# Altium PCB dv_cm.PcbDoc (part 1 of 2) (continued)
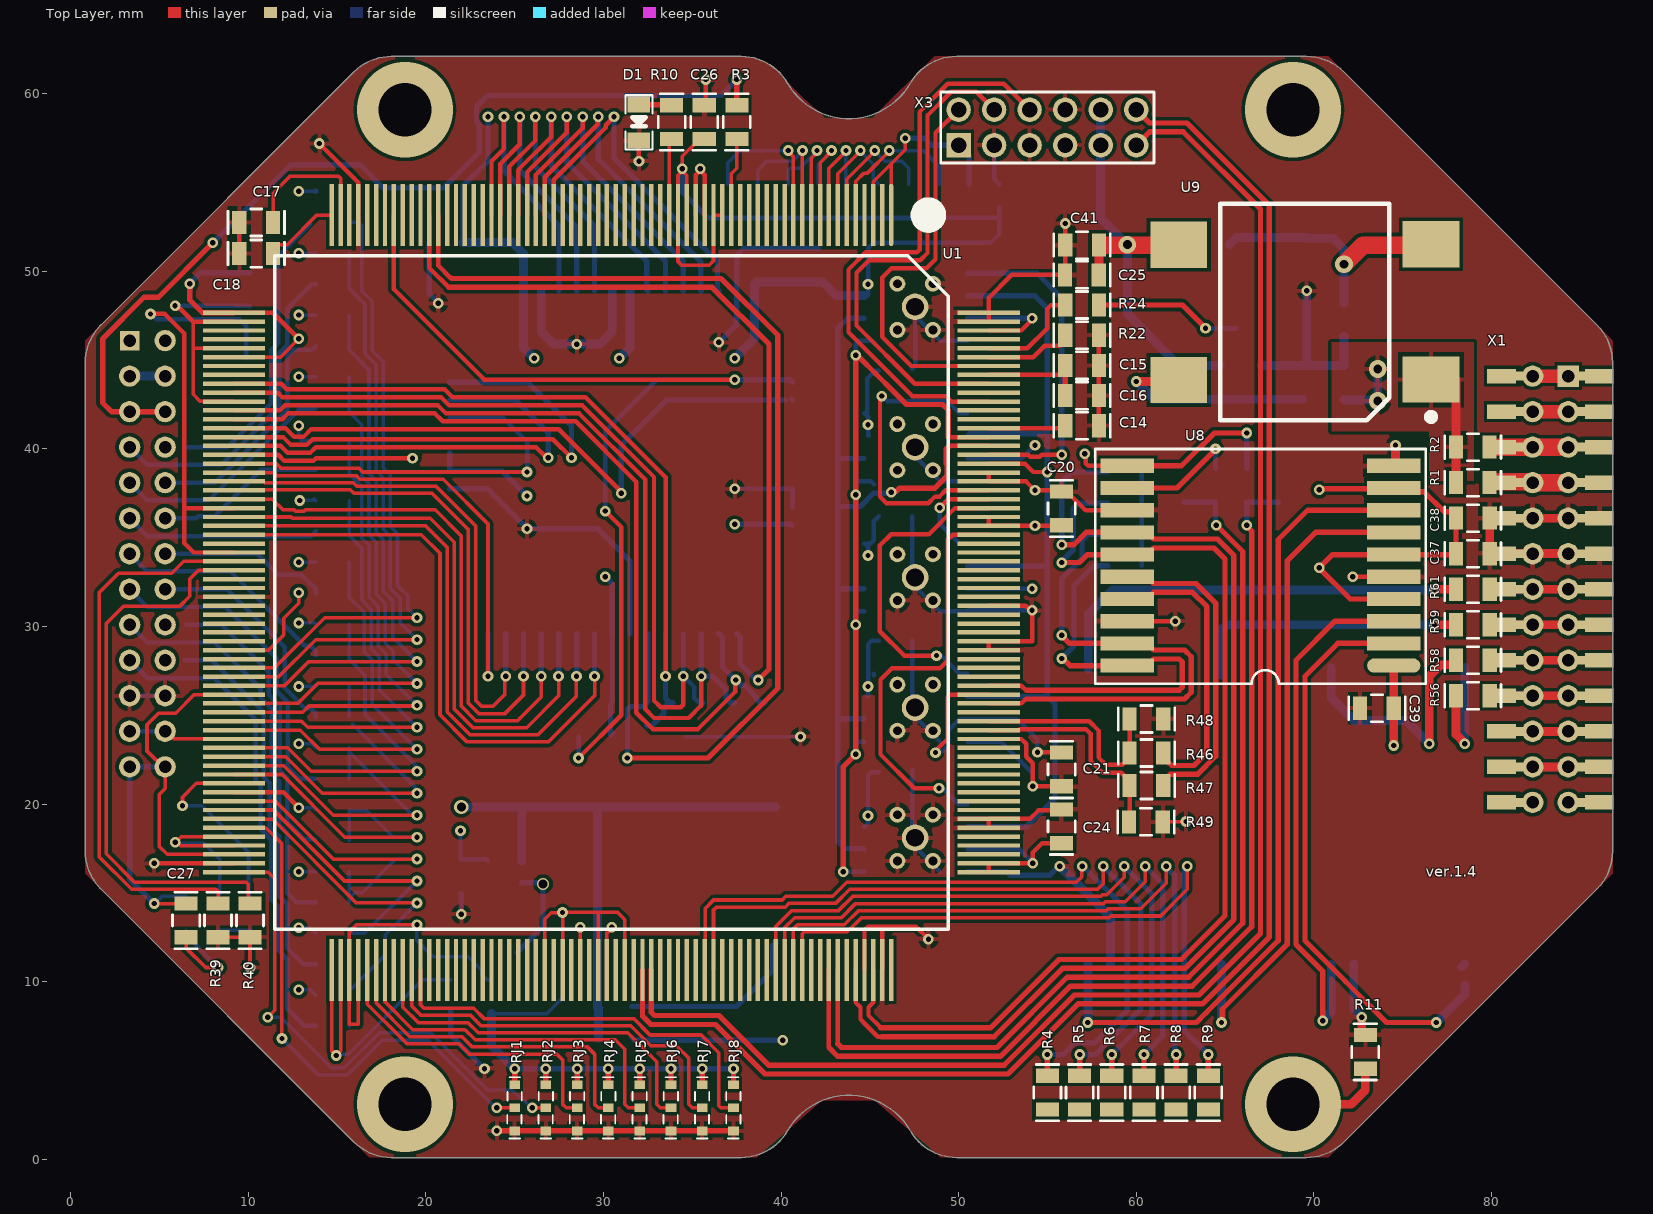
[diagram p0: Top Layer view]
## Components (designator, comment, footprint, x,y, rotation, side; value= is the part's Value field where it differs from the comment) (continued)
R43 "OSM R1-12" SMD_0805 28.6,25.7 r270 bottom value=2k4 (schematic designator R34)
R44 "SMD_0805" SMD_0805 60.3,33.426 r180 bottom value=5к (schematic designator R35)
R45 "OSM R1-12" SMD_0805 60.3,35.184 r180 bottom value=5к (schematic designator R36)
R46 "OSM R1-12" SMD_0805 59.625,22.878 r0 top value=560 (schematic designator R37)
R47 "OSM R1-12" SMD_0805 59.625,21.05 r0 top value=560 (schematic designator R38)
R48 "OSM R1-12" SMD_0805 59.625,24.794 r0 top value=1к (schematic designator R39)
R49 "OSM R1-12" SMD_0805 59.6,19 r0 top value=1к (schematic designator R40)
R50 "OSM R1-12" SMD_0805 60.3,36.942 r180 bottom value=5к (schematic designator R41)
R51 "OSM R1-12" SMD_0805 60.3,38.7 r180 bottom value=5к (schematic designator R42)
R52 "OSM R1-12" SMD_0805 64.467,37 r90 bottom value=560 (schematic designator R43)
R53 "OSM R1-12" SMD_0805 66.233,37 r90 bottom value=560 (schematic designator R44)
R54 "OSM R1-12" SMD_0805 62.7,37 r90 bottom value=1к (schematic designator R45)
R55 "OSM R1-12" SMD_0805 68,37 r90 bottom value=1к (schematic designator R46)
R56 "OSM R1-12" SMD_0805 79.905,26.099 r180 top value=56 (schematic designator R47)
R57 "OSM R1-12" SMD_0805 80.3,26.199 r90 bottom value=70 (schematic designator R48)
R58 "OSM R1-12" SMD_0805 79.905,28.099 r180 top value=56 (schematic designator R49)
R59 "OSM R1-12" SMD_0805 79.905,30.099 r180 top value=56 (schematic designator R50)
R60 "OSM R1-12" SMD_0805 80.3,30.1 r90 bottom value=70 (schematic designator R51)
R61 "OSM R1-12" SMD_0805 79.905,32.099 r180 top value=56 (schematic designator R52)
R62 "OSM R1-12" SMD_0805 64.711,42.795 r90 bottom value=1.8к (schematic designator R53)
R63 "OSM R1-12" SMD_0805 67.041,44.7 r270 bottom value=3к (schematic designator R54)
R64 "OSM R1-12" SMD_0805 69.37,44.7 r270 bottom value=56к (schematic designator R55)
R65 "OSM R1-12" SMD_0805 31.625,8.5 r180 bottom value=1.8к (schematic designator R56)
R66 "OSM R1-12" SMD_0805 33.172,6.705 r90 bottom value=3к (schematic designator R57)
R67 "OSM R1-12" SMD_0805 34.846,6.705 r90 bottom value=56к (schematic designator R58)
R68 "OSM R1-12" SMD_0805 31.625,6.83 r180 bottom value=330 (schematic designator R59)
R69 "OSM R1-12" SMD_0805 13.8,42.315 r0 bottom value=0 (schematic designator R32)
R70 "OSM R1-12" SMD_0805 13.8,45.796 r0 bottom value=0 (schematic designator R32)
R71 "OSM R1-12" SMD_0805 13.8,49.278 r0 bottom value=0 (schematic designator R32)
R72 "OSM R1-12" SMD_0805 13.8,52.76 r0 bottom value=0 (schematic designator R32)
RJ1 "NU" SMD_JMP_0402 25,2.9 r90 top
RJ2 "NU" SMD_JMP_0402 26.76,2.9 r90 top
RJ3 "NU" SMD_JMP_0402 28.521,2.9 r90 top
RJ4 "NU" SMD_JMP_0402 30.281,2.9 r90 top
RJ5 "NU" SMD_JMP_0402 32.041,2.9 r90 top
RJ6 "NU" SMD_JMP_0402 33.802,2.9 r90 top
RJ7 "NU" SMD_JMP_0402 35.562,2.9 r90 top
RJ8 "NU" SMD_JMP_0402 37.322,2.9 r90 top
T1 "TIL-6V" TIL-6V 71,11 r90 bottom
T2 "TIL-6V" TIL-6V 57.3,11 r90 bottom
U1 "1986VE8T" 4244.256-3 46.2,53.168 r270 top
U2 "1645RT2U VP" 5134.64-6 30.496,29.599 r90 bottom
U3 "FM25V20" TDFN-8_6x5 50.5,49.9 r180 bottom
U4 "FM25V20" TDFN-8_6x5 50.5,42 r180 bottom
U5 "FM25V20" TDFN-8_6x5 50.5,34.667 r180 bottom
U6 "FM25V20" TDFN-8_6x5 50.5,27.333 r180 bottom
U7 "FM25V20" TDFN-8_6x5 50.5,20 r180 bottom
U8 "5559IN67T_OSM" 4153.20-6 74.5,27.8 r180 top locked
U9 "1278ER1T VP" 4116.4-3_offcut 76.6,43.9 r180 top
U10 "1278ER1T VP" 4116.4-3_offcut 25.5,12.22 r0 bottom
X1 "Header 2X26" ? 86.075,44.099 r0 top
X2 "Header 2X26" SD87340-26 1.572,46.099 r180 bottom
X3 "Header 2X12" PLD2-12 50,57.1 r90 top

## Footprints (in the part's own frame and the unit in brackets; to place one, negate y for a bottom-side part, rotate by r counter-clockwise, add the part's x,y. Pads: shape width x height; smd on the part's side, far side on the other; paste and mask are expansions set on the pad)
4116.4-3_offcut [mm]
  rect 3.2x2.6 smd: 2(0,0) 8(0,-7.62) 11(14.2,-7.6) 17(14.2,0.02)
  silkscreen extent -0.2,-9.91 11.88,2.3, body extent -0.15,-9.8 14.35,2.2, height 3.35
4153.20-6 [mm]
  oval 3x0.8 smd: 1(0,0)
  rect 3x0.8 smd: 2(0,-1.25) 3(0,-2.5) 4(0,-3.75) 5(0,-5) 6(0,-6.25) 7(0,-7.5) 8(0,-8.75) 9(0,-10) 10(0,-11.25) 11(15,-11.25) 12(15,-10) 13(15,-8.75) 14(15,-7.5) 15(15,-6.25) 16(15,-5) 17(15,-3.75) 18(15,-2.5) 19(15,-1.25) 20(15,0)
  silkscreen extent -1.8,-12.19 16.8,1.02, body extent -1.25,-12.1 16.25,0.9, height 3.04
4244.256-3 [mm]
  oval 3.5x0.25 smd: 1(0,0)
  rect 3.5x0.25 smd: 2(0,-0.5) 3(0,-1) 4(0,-1.5) 5(0,-2) 6(0,-2.5) 7(0,-3) 8(0,-3.5) 9(0,-4) 10(0,-4.5) 11(0,-5) 12(0,-5.5) 13(0,-6) 14(0,-6.5) 15(0,-7) 16(0,-7.5) 17(0,-8) 18(0,-8.5) 19(0,-9) 20(0,-9.5) 21(0,-10) 22(0,-10.5) 23(0,-11) 24(0,-11.5) 25(0,-12) 26(0,-12.5) 27(0,-13) 28(0,-13.5) 29(0,-14) 30(0,-14.5) 31(0,-15) 32(0,-15.5) 33(0,-16) 34(0,-16.5) 35(0,-17) 36(0,-17.5) 37(0,-18) 38(0,-18.5) 39(0,-19) 40(0,-19.5) 41(0,-20) 42(0,-20.5) 43(0,-21) 44(0,-21.5) 45(0,-22) 46(0,-22.5) 47(0,-23) 48(0,-23.5) 49(0,-24) 50(0,-24.5) 51(0,-25) 52(0,-25.5) 53(0,-26) 54(0,-26.5) 55(0,-27) 56(0,-27.5) 57(0,-28) 58(0,-28.5) 59(0,-29) 60(0,-29.5) 61(0,-30) 62(0,-30.5) 63(0,-31) 64(0,-31.5) 129(42.5,-31.5) 130(42.5,-31) 131(42.5,-30.5) 132(42.5,-30) 133(42.5,-29.5) 134(42.5,-29) 135(42.5,-28.5) 136(42.5,-28) 137(42.5,-27.5) 138(42.5,-27) 139(42.5,-26.5) 140(42.5,-26) 141(42.5,-25.5) 142(42.5,-25) 143(42.5,-24.5) 144(42.5,-24) 145(42.5,-23.5) 146(42.5,-23) 147(42.5,-22.5) 148(42.5,-22) 149(42.5,-21.5) 150(42.5,-21) 151(42.5,-20.5) 152(42.5,-20) 153(42.5,-19.5) 154(42.5,-19) 155(42.5,-18.5) 156(42.5,-18) 157(42.5,-17.5) 158(42.5,-17) 159(42.5,-16.5) 160(42.5,-16) 161(42.5,-15.5) 162(42.5,-15) 163(42.5,-14.5) 164(42.5,-14) 165(42.5,-13.5) 166(42.5,-13) 167(42.5,-12.5) 168(42.5,-12) 169(42.5,-11.5) 170(42.5,-11) 171(42.5,-10.5) 172(42.5,-10) 173(42.5,-9.5) 174(42.5,-9) 175(42.5,-8.5) 176(42.5,-8) 177(42.5,-7.5) 178(42.5,-7) 179(42.5,-6.5) 180(42.5,-6) 181(42.5,-5.5) 182(42.5,-5) 183(42.5,-4.5) 184(42.5,-4) 185(42.5,-3.5) 186(42.5,-3) 187(42.5,-2.5) 188(42.5,-2) 189(42.5,-1.5) 190(42.5,-1) 191(42.5,-0.5) 192(42.5,0)
  rect 0.25x3.5 smd: 65(5.5,-37) 66(6,-37) 67(6.5,-37) 68(7,-37) 69(7.5,-37) 70(8,-37) 71(8.5,-37) 72(9,-37) 73(9.5,-37) 74(10,-37) 75(10.5,-37) 76(11,-37) 77(11.5,-37) 78(12,-37) 79(12.5,-37) 80(13,-37) 81(13.5,-37) 82(14,-37) 83(14.5,-37) 84(15,-37) 85(15.5,-37) 86(16,-37) 87(16.5,-37) 88(17,-37) 89(17.5,-37) 90(18,-37) 91(18.5,-37) 92(19,-37) 93(19.5,-37) 94(20,-37) 95(20.5,-37) 96(21,-37) 97(21.5,-37) 98(22,-37) 99(22.5,-37) 100(23,-37) 101(23.5,-37) 102(24,-37) 103(24.5,-37) 104(25,-37) 105(25.5,-37) 106(26,-37) 107(26.5,-37) 108(27,-37) 109(27.5,-37) 110(28,-37) 111(28.5,-37) 112(29,-37) 113(29.5,-37) 114(30,-37) 115(30.5,-37) 116(31,-37) 117(31.5,-37) 118(32,-37) 119(32.5,-37) 120(33,-37) 121(33.5,-37) 122(34,-37) 123(34.5,-37) 124(35,-37) 125(35.5,-37) 126(36,-37) 127(36.5,-37) 128(37,-37) 193(37,5.5) 194(36.5,5.5) 195(36,5.5) 196(35.5,5.5) 197(35,5.5) 198(34.5,5.5) 199(34,5.5) 200(33.5,5.5) 201(33,5.5) 202(32.5,5.5) 203(32,5.5) 204(31.5,5.5) 205(31,5.5) 206(30.5,5.5) 207(30,5.5) 208(29.5,5.5) 209(29,5.5) 210(28.5,5.5) 211(28,5.5) 212(27.5,5.5) 213(27,5.5) 214(26.5,5.5) 215(26,5.5) 216(25.5,5.5) 217(25,5.5) 218(24.5,5.5) 219(24,5.5) 220(23.5,5.5) 221(23,5.5) 222(22.5,5.5) 223(22,5.5) 224(21.5,5.5) 225(21,5.5) 226(20.5,5.5) 227(20,5.5) 228(19.5,5.5) 229(19,5.5) 230(18.5,5.5) 231(18,5.5) 232(17.5,5.5) 233(17,5.5) 234(16.5,5.5) 235(16,5.5) 236(15.5,5.5) 237(15,5.5) 238(14.5,5.5) 239(14,5.5) 240(13.5,5.5) 241(13,5.5) 242(12.5,5.5) 243(12,5.5) 244(11.5,5.5) 245(11,5.5) 246(10.5,5.5) 247(10,5.5) 248(9.5,5.5) 249(9,5.5) 250(8.5,5.5) 251(8,5.5) 252(7.5,5.5) 253(7,5.5) 254(6.5,5.5) 255(6,5.5) 256(5.5,5.5)
  silkscreen extent -0.5,-34.71 40.21,3.21, body extent -1.3,-38.3 43.81,6.81, height 3.24
5134.64-6 [mil]
  rrect50% 120x28 smd: 1(0.04,0.16)
  rect 120x28 smd: 2(0.04,-39.21) 3(0.04,-78.58) 4(0.04,-117.95) 5(0.04,-157.32) 6(0.04,-196.69) 7(0.04,-236.06) 8(0.04,-275.43) 25(759.88,-275.43) 26(759.88,-236.06) 27(759.88,-196.69) 28(759.88,-157.32) 29(759.88,-117.95) 30(759.88,-78.58) 31(759.88,-39.21) 32(759.88,0.16) 33(759.88,39.53) 34(759.88,78.9) 35(759.88,118.27) 36(759.88,157.64) 37(759.88,197.01) 38(759.88,236.38) 39(759.88,275.75) 40(759.88,315.12) 57(0.04,315.12) 58(0.04,275.75) 59(0.04,236.38) 60(0.04,197.01) 61(0.04,157.64) 62(0.04,118.27) 63(0.04,78.9) 64(0.04,39.53)
  rect 28x120 smd: 9(84.69,-360.08) 10(124.06,-360.08) 11(163.43,-360.08) 12(202.8,-360.08) 13(242.17,-360.08) 14(281.54,-360.08) 15(320.91,-360.08) 16(360.28,-360.08) 17(399.65,-360.08) 18(439.02,-360.08) 19(478.39,-360.08) 20(517.76,-360.08) 21(557.13,-360.08) 22(596.5,-360.08) 23(635.87,-360.08) 24(675.24,-360.08) 41(675.24,399.76) 42(635.87,399.76) 43(596.5,399.76) 44(557.13,399.76) 45(517.76,399.76) 46(478.39,399.76) 47(439.02,399.76) 48(399.65,399.76) 49(360.28,399.76) 50(320.91,399.76) 51(281.54,399.76) 52(242.17,399.76) 53(202.8,399.76) 54(163.43,399.76) 55(124.06,399.76) 56(84.69,399.76)
  silkscreen extent -70,-430 830,470, body extent -49,-409 809,449, height 134
LED-0805 [mil]
  rect 35x50 smd: 1(0,0) 2(80,0)
  silkscreen extent -20,-30 100,30, body extent 1,-25 80,25, height 43
PLD2-12 [mil]
  rect 54x54 hole 34: 1(0,0)
  round 54 hole 34: 2(78.74,0) 3(0,-78.74) 4(78.74,-78.74) 5(0,-157.48) 6(78.74,-157.48) 7(0,-236.22) 8(78.74,-236.22) 9(0,-314.96) 10(78.74,-314.96) 11(0,-393.7) 12(78.74,-393.7)
  silkscreen extent -39,-433 118,39, body extent -39,-429 118,35, height 236
SD87340-26 [mm]
  rect 1.1x1.1 hole 0.7: 1(-1.75,0)
  rect 1.5x0.5 smd: 1(-1.1,0) 2(-4.4,0) 3(-1.1,-2) 4(-4.4,-2) 5(-1.1,-4) 6(-4.4,-4) 7(-1.1,-6) 8(-4.4,-6) 9(-1.1,-8) 10(-4.4,-8) 11(-1.1,-10) 12(-4.4,-10) 13(-1.1,-12) 14(-4.4,-12) 15(-1.1,-14) 16(-4.4,-14) 17(-1.1,-16) 18(-4.4,-16) 19(-1.1,-18) 20(-4.4,-18) 21(-4.4,-20) 22(-1.1,-20) 23(-4.4,-22) 24(-1.1,-22) 25(-4.4,-24) 26(-1.1,-24)
  rect 1.626x0.813 smd: 1(0,0) 2(-5.5,0) 3(0,-2) 4(-5.5,-2) 5(0,-4) 6(-5.5,-4) 7(0,-6) 8(-5.5,-6) 9(0,-8) 10(-5.5,-8) 11(0,-10) 12(-5.5,-10) 13(0,-12) 14(-5.5,-12) 15(0,-14) 16(-5.5,-14) 17(0,-16) 18(-5.5,-16) 19(0,-18) 20(-5.5,-18) 21(-5.5,-20) 22(0,-20) 23(-5.5,-22) 24(0,-22) 25(-5.5,-24) 26(0,-24)
  round 1.2 hole 0.7: 2(-3.75,0) 3(-1.75,-2) 4(-3.75,-2) 5(-1.75,-4) 6(-3.75,-4) 7(-1.75,-6) 8(-3.75,-6) 9(-1.75,-8) 10(-3.75,-8) 11(-1.75,-10) 12(-3.75,-10) 13(-1.75,-12) 14(-3.75,-12) 15(-1.75,-14) 16(-3.75,-14) 17(-1.75,-16) 18(-3.75,-16) 19(-1.75,-18) 20(-3.75,-18) 21(-3.75,-20) 22(-1.75,-20) 23(-3.75,-22) 24(-1.75,-22) 25(-3.75,-24) 26(-1.75,-24)
SMD_0805 [mm]
  rect 0.8x1.3 smd: 1(0,0) 2(1.9,0)
  silkscreen extent -0.64,-0.76 2.54,0.76, body extent -0.05,-0.62 1.95,0.63, height 0.43
SMD_7050_Crystal_Oscillator [mm]
  rrect50% 2x2 smd: 1(0,0)
  rect 2x2 smd: 2(5.08,0) 3(5.08,4) 4(0,4)
  silkscreen extent -1.22,-0.72 6.32,4.72, body extent -0.95,-0.5 6.05,4.52, height 1.52
SMD_C0805 [mm]
  rect 0.8x1.3 smd: 1(0,0) 2(1.9,0)
  silkscreen extent -0.64,-0.76 2.54,0.76, body extent -0.1,-0.72 2,0.73, height 1.35
SMD_JMP_0402 [mm]
  rect 0.5x0.6 smd: 1(0,0) 2(1.3,0) 3(-1.3,0)
  silkscreen extent -1.73,-0.4 1.72,0.41, body extent 0.15,-0.25 1.15,0.25, height 0.34
TDFN-8_6x5 [mm] "TDFN 8-pin 6x5mm"
  oval 1.524x0.635 smd: 1(0,0)
  rect 1.524x0.635 smd: 2(0,-1.27) 3(0,-2.54) 4(0,-3.81) 5(5.825,-3.81) 6(5.825,-2.54) 7(5.825,-1.27) 8(5.825,0)
  round 0.9 hole 0.5: TP(1.95,-3.2) TP(1.95,-0.6) TP(3.95,-3.2) TP(3.95,-0.6)
  round 1.5 hole 1: TP(2.95,-1.9)
  rect 3.048x4.064 smd: TP(2.95,-1.9)
  silkscreen extent -0.83,-4.44 5.95,1, body extent -0.08,-4.4 5.92,0.6, height 0.79
TIL-6V [mm]
  oval 2.5x0.813 smd: 1(0,-0.02)
  rect 2.5x0.813 smd: 2(0,1.25) 3(0,6.25) 4(0,7.5) 5(16.7,7.5) 6(16.7,6.25) 7(16.7,1.25) 8(16.7,-0.02)
  silkscreen extent -1.5,-2.5 18.2,10, body extent -1.2,-2.5 17.8,10, height 6.5
? [mm]
  rect 1.2x1.2 hole 0.7: 1(-1.75,0)
  rect 1.5x0.5 smd: 1(-1.1,0) 2(-4.4,0) 3(-1.1,-2) 4(-4.4,-2) 5(-1.1,-4) 6(-4.4,-4) 7(-1.1,-6) 8(-4.4,-6) 9(-1.1,-8) 10(-4.4,-8) 11(-1.1,-10) 12(-4.4,-10) 13(-1.1,-12) 14(-4.4,-12) 15(-1.1,-14) 16(-4.4,-14) 17(-1.1,-16) 18(-4.4,-16) 19(-1.1,-18) 20(-4.4,-18) 21(-4.4,-20) 22(-1.1,-20) 23(-4.4,-22) 24(-1.1,-22) 25(-4.4,-24) 26(-1.1,-24)
  rect 1.626x0.813 smd: 1(0,0) 2(-5.5,0) 3(0,-2) 4(-5.5,-2) 5(0,-4) 6(-5.5,-4) 7(0,-6) 8(-5.5,-6) 9(0,-8) 10(-5.5,-8) 11(0,-10) 12(-5.5,-10) 13(0,-12) 14(-5.5,-12) 15(0,-14) 16(-5.5,-14) 17(0,-16) 18(-5.5,-16) 19(0,-18) 20(-5.5,-18) 21(-5.5,-20) 22(0,-20) 23(-5.5,-22) 24(0,-22) 25(-5.5,-24) 26(0,-24)
  round 1.2 hole 0.7: 2(-3.75,0) 3(-1.75,-2) 4(-3.75,-2) 5(-1.75,-4) 6(-3.75,-4) 7(-1.75,-6) 8(-3.75,-6) 9(-1.75,-8) 10(-3.75,-8) 11(-1.75,-10) 12(-3.75,-10) 13(-1.75,-12) 14(-3.75,-12) 15(-1.75,-14) 16(-3.75,-14) 17(-1.75,-16) 18(-3.75,-22) 18(-3.75,-16) 19(-1.75,-18) 20(-3.75,-18) 21(-3.75,-20) 22(-1.75,-20) 24(-1.75,-22) 25(-3.75,-24) 26(-1.75,-24)

## Part data
C1 C2 C3 C4 C5 C6 C7 C8 C9 C10 C11 C12 C13 C14 C15 C16 C17 C18 C19 C20 C21 C22 C23 C24 C25 C26 C27 C28 C29 C30 C31 C32 C33 C34 C35 C36 C37 C38 C39 C40 C41 C42 C43 C44 C45 C46 C47: library part Capacitor, "Capacitor", Назначение=SMD-конденсатор, Наименование=К10-79, Напряжение=В, Потребление, Вт=0, Точность=%
GK1: library part Crystal_Oscillator, "Crystall oscillator, CMOS, 3.3V, SMD7050", ComponentLink1Description=DataSheet, ComponentLink1URL=http://www.lit-phonon.ru/downloads/GK108-P.pdf, Назначение="Кварцевый генератор", Наименование="ОСМ ГК108-П-18ГС-3-10М", Потребление, Вт=0,165
L1: library part Inductor, "Inductor", Назначение=SMD-индуктивность, Наименование=Индуктивность, Потребление, Вт=0,010
R1 R2 R3 R4 R5 R6 R7 R8 R9 R10 R11 R12 R13 R14 R15 R16 R17 R18 R19 R20 R21 R22 R23 R24 R25 R26 R27 R28 R29 R30 R31 R32 R33 R34 R35 R36 R37 R38 R39 R40 R41 R42 R43 R44 R45 R46 R47 R48 R49 R50 R51 R52 R53 R54 R55 R56 R57 R58 R59 R60 R61 R62 R63 R64 R65 R66 R67 R68 R69 R70 R71 R72: library part Resistor, "Resistor", Назначение=SMD-резистор, Наименование="ОСМ Р1-12", Потребление, Вт=0,001, Точность=%
RJ1 RJ2 RJ3 RJ4 RJ5 RJ6 RJ7 RJ8: library part Resistor_Jamper, "Resistor-Jumper", Назначение="Резистор для выбора режима", Наименование="Р1-12-0.125 ОСМ", Потребление, Вт=0,0
T1 T2: "Импульсный трансформатор", Назначение="Импульсный трансформатор МПИ", Наименование="ТИЛ-6В \"ОС\"", Потребление, Вт=0.0
U1: library part 1986BE8T, "ARM CortexM4F микроконтроллер", ComponentLink1Description=DataSheet, ComponentLink1URL=https://ic.milandr.ru/upload/iblock/62c/62ca58d6ede1a3e06d56be1e19dbdbc8.pdf, ComponentLink2Description=Errata, ComponentLink2URL=https://ic.milandr.ru/upload/iblock/379/379105061a67e6dd9373b458eff4ec3a.pdf, Назначение="АРМ микроконтроллер", Наименование=1986BE8T
U2: library part 1645RT2U, "Микросхема однократно программируемого постоянного / запоминающего устройства ёмкостью 256 К с организацией 32Кх8 / 1645РТ2У", ComponentLink1Description=DataSheet, ComponentLink1URL=https://forum.milandr.ru/download/file.php?id=473, Назначение=ОППЗУ, Наименование="1645РТ2У \"ВП\"", Потребление, Вт=0.330
U3 U4 U5 U6 U7: library part FM25V, "2Mb Serial 3V FRAM Memory", ComponentLink1Description=Datasheet, ComponentLink1URL=https://www.cypress.com/file/136456/download, Назначение="2Mb Serial 3V FRAM Memory", Наименование=FM25V20, Потребление, Вт=0,009
U8: library part 5559IN67T, "Приемопередатчики манчестерского кода", ComponentLink1Description=DataSheet, ComponentLink1URL=https://www.integral.by/sites/default/files/5559_IN67_68T.pdf, Назначение="Приемопередатчик манчестерского кода", Наименование="5559ИН67Т \"ОСМ\"", Потребление, Вт=0.1
U9 U10: library part 1278ER1T, "Low-drop linear regulator", ComponentLink1Description=DataSheet, ComponentLink1URL=https://www.radiant.su/files/images/Kremhij-marketing/1278EP1T.pdf, Назначение="Линейный регулятор", Наименование="1278ЕР1Т \"ВП\"", Потребление, Вт=0,100
X1 X2: "Header, 26-Pin, Dual row", Назначение="Header, 20-Pin, Dual row", Наименование=PLD2-26, Потребление, Вт=0,0
X3: "Header, 12-Pin, Dual row", Назначение="Header, 12-Pin, Dual row", Наименование=PLD2-12, Потребление, Вт=0,0
D1: Назначение=Светодиод, Наименование=SMD-LED, Потребление, Вт=0,01

## Via types
v1: diameter 0.6, hole 0.3, Top Layer to Bottom Layer, tented both sides, 189 vias
v2: diameter 1, hole 0.5, Top Layer to Bottom Layer, tented both sides, 4 vias
v3: diameter 5.4, hole 3, Top Layer to Bottom Layer, 4 vias
v4: diameter 0.7, hole 0.5, Top Layer to Bottom Layer, tented both sides, 1 vias
v5: diameter 0.8, hole 0.5, Top Layer to Bottom Layer, tented both sides, 1 vias

## Nets (pads, with @x,y where several pads share a name; then routed paths per layer and width w, separated by ;. In a path a pad name is that pad's centre, name@x,y a point inside that pad or via, vN(x,y) a via of type N, cw(c..) or ccw(c..) an arc to the next point about the centre after c; other vN are vias at no path point)
3V3: C11.2 C19.2 C20.2 C21.2 C22.2 C23.2 C24.2 C25.2 C26.2 C29.1 C30.1 C31.2 C32.2 C33.2 C34.2 C35.2 C36.2 C41.2 GK1.1 GK1.4 R23.2 R25.1 R26.1 R27.1 R28.1 R29.1 R30.1 R31.1 R32.1 R33.2 R38.1 R42.1 R62.2 RJ1.2 RJ2.2 RJ3.2 RJ4.2 RJ5.2 RJ6.2 RJ7.2 RJ8.2 U1.20 U1.21 U1.24 U1.25 U1.65 U1.70 U1.81 U1.103 U1.124 U1.125 U1.153 U1.155 U1.159 U1.162 U1.193 U1.194 U1.213 U1.232 U1.233 U1.254 U2.1 U2.16 U2.17 U2.27 U2.33 U2.40 U2.52 U3.3 U3.7 U3.8 U4.3 U4.7 U4.8 U5.3 U5.7 U5.8 U6.3 U6.7 U6.8 U7.3 U7.7 U7.8 U9.8 U9.11 X3.9 X3.10 | length 288.7
  Top Layer w0.2: v1(5.9,17.85) v1@5.903,17.85 ; U1.125@9.2,17.668 6.19,17.668 6.008,17.85 v1@5.903,17.85 ; U1.124@9.2,18.168 6.221,18.168 v1@5.903,17.85 ; U1.103@9.2,28.668 11.143,28.668 12,29.525 12,30.461 12.844,31.305 12.844,31.9 v1(12.85,31.905) ; U1.70@9.2,45.168 11.818,45.168 v1(12.85,46.2) ; RJ2.2@26.7,4.26 RJ2.2@26.76,4.2 ; U1.153@26.7,10.668 26.7,13.515 27.061,13.876 27.676,13.876 v1(27.7,13.9) ; U1.155@27.7,10.668 v1(27.7,13.9) ; v1@28.521,5.079 v1(28.521,5.1) ; U1.159@29.7,10.668 29.7,13.9 ; U1.162@31.2,10.668 31.2,13.5 30.8,13.9 29.7,13.9 ; U1.24@34.7,53.168 34.7,55.411 v1@34.447,55.664 ; C26.2@35.129,57.154 34.447,56.472 v1(34.447,55.772) v1@34.447,55.664 ; C26.2@35.129,57.155 35.429,57.455 C26.2@35.679,57.455 ; U1.20@36.7,53.168 U1.21@36.2,53.168 36.2,50.6 35.95,50.35 34.4,50.35 34.2,50.55 U1.25@34.2,53.168 34.2,55.417 v1@34.447,55.664 ; v1@37.3,5.1 v1(37.322,5.1) ; v1(27.7,13.9) 29.7,13.9
  Top Layer w0.25: U1.81@9.2,39.668 11.689,39.668 12.032,39.325 13.668,39.325 13.818,39.475 v1(19.25,39.475) ; U1.65@9.2,47.668 11.382,47.668 v1(12.85,46.2) ; v1(48.7,22.901) 48.7,22.996 48.8,23.096 48.8,23.1 49.4,23.7 49.4,26.022 49.546,26.168 U1.213@51.7,26.168 ; U1.193@51.7,16.168 U1.194@51.7,16.668 v1@54.207,16.668 ; U1.233@51.7,36.168 U1.232@51.7,35.668 v1(54.3,35.668) C20.2@55.8,35.668 ; U1.254@51.7,46.668 53.535,46.668 54.137,47.27 v1(54.137,47.361) ; v1(54.175,16.668) 54.175,17.275 54.7,17.8 C24.2@55.8,17.8 ; v1(54.441,22.915) 54.456,22.931 C21.2@55.266,22.931
  Top Layer w0.3: v1(6.7,49.3) 6.7,48.4 7.432,47.668 U1.65@9.2,47.668 ; RJ1.2@25,4.2 v1(25,5.1) ; RJ2.2@26.7,4.26 26.721,4.26 26.76,4.3 v1(26.76,5.1) ; RJ3.2@28.521,4.2 v1@28.521,5.079 ; RJ4.2@30.281,4.2 v1(30.281,5.1) ; RJ5.2@32.041,4.2 v1(32.041,5.1) ; RJ6.2@33.802,4.2 v1(33.802,5.1) ; v1(35.559,5.093) 35.562,5.09 RJ7.2@35.562,4.2 ; RJ8.2@37.322,4.222 v1(37.322,5.1) ; v1@54.08,47.304 v1(54.137,47.361)
  Top Layer w0.5: C25.2@57.895,49.8 57.897,49.802 57.897,51.472 C41.2@57.9,51.474 ; U9.11@62.374,51.474 U9.11@62.4,51.5
  Top Layer w1: C41.2@58.2,51.474 U9.11@62.374,51.474 ; v2(71.7,50.4) 72.774,51.474 U9.8@76.6,51.474
  Bottom Layer w0.2: v1@5.9,17.8 7.5,17.8 8.4,16.9 8.4,14.9 C23.2@8.3,14.8 ; R38.1@23.693,8.2 26.8,8.2 27.7,9.1 v1(27.7,13.9) ; v1(34.447,55.772) v1@34.525,55.694
  Bottom Layer w0.25: R42.1@30.5,25.7 U2.1@30.5,29.6 ; U7.7@44.675,18.73 44.708,18.73 44.9,18.922 v1(44.9,19.345) 44.9,19.942 44.842,20 44.897,20.055 44.897,21.625 45.072,21.8 C36.2@45.5,21.8 ; U5.8@44.675,34.667 U5.8@44.708,34.667 ; U4.8@44.675,42 44.857,42 44.857,43.971 45.286,44.4 C33.2@45.5,44.4 ; U4.8@44.782,41.925 44.9,41.808 44.9,40.763 U4.7@44.933,40.73 ; U6.7@44.854,26.063 44.9,26.11 v1(44.9,26.625) 44.9,29.005 45.095,29.2 C35.2@45.5,29.2 ; v1(44.9,34) 44.9,34.474 U5.8@44.708,34.667 ; U3.7@44.9,48.642 v1(44.9,49.263) 44.9,51.3 45.2,51.6 51.8,51.6 52.3,52.1 C32.2@52.3,53.005 ; U6.8@45.225,27.256 U6.8@45.225,27.333 ; C34.2@45.5,36.2 45.225,35.925 45.225,34.859 45.033,34.667 U5.8@44.708,34.667 ; v1(48.7,22.901) 48.767,22.968 49.101,22.968 49.413,23.281 49.413,24.151 50.056,24.793 U6.3@50.5,24.793 53.307,24.793 54.431,23.669 54.431,22.924 v1(54.441,22.915) ; R25.1@48.9,53 48.905,53.005 R23.2@50.6,53.005 C32.2@52.3,53.005 ; U7.3@50.5,17.46 53.415,17.46 v1@54.225,16.65 ; U5.3@50.5,32.127 v1(54.137,32.127) ; U4.3@50.5,39.46 53.56,39.46 v1(54.3,40.2) ; 52.3,53.605 C32.2@52.3,53.005
  Bottom Layer w0.3: v1(6.7,49.3) 7.323,49.923 C22.2@8.3,49.923 C19.2@10.1,49.923 ; U2.17@21.35,39.75 U2.16@21.35,38.75 24.3,38.75 25.676,37.374 v1@25.676,37.351 ; C30.1@22.093,51.619 22.093,54.793 23.5,56.2 v1(23.5,58.7) ; v1(25,5.1) v1(26.76,5.1) v1(28.521,5.1) v1(30.281,5.1) v1(32.041,5.1) v1(33.802,5.1) v1(37.322,5.1) ; v1(30.1,32.8) 30.5,32.4 U2.1@30.5,29.6 ; R42.1@30.4,25.573 R33.2@30.4,23.9 R33.2@30.517,24.017 ; v1(34.447,55.772) 34.447,54.453 35.9,53 R32.1@37,53 R31.1@38.7,53 R30.1@40.4,53 R29.1@42.1,53 R28.1@43.8,53 R27.1@45.5,53 R26.1@47.2,53 R25.1@48.9,53 ; v1(37.4,35.75) 40.55,35.75 U2.52@40.6,35.7 ; U3.3@50.5,47.36 53.965,47.36 53.967,47.358 54.134,47.358 v1(54.137,47.361)
  Bottom Layer w0.5: C30.1@22.093,51.619 24.881,51.619 25.5,51 U2.27@25.5,48.9 25.5,45.7 v1(26.1,45.1) ; R38.1@23.693,8.2 23.693,6.407 v1(25,5.1) ; v1(30.9,45.1) 31.5,45.7 U2.33@31.5,48.9 ; v1(37.4,45.1) 38.5,46.2 U2.40@38.5,48.9 38.5,49.294 38.606,49.4 C31.2@42.1,49.4 42.35,49.4 43.12,48.63 U3.7@44.675,48.63 ; X3.10@58,59.1 X3.9@58,57.1 58,53 v2(59.5,51.5) 59.5,47.6 62.405,44.695 R62.2@64.711,44.695 ; GK1.4@65.238,51.5 GK1.4@65.6,51.862 65.638,51.9 69.6,51.9 GK1.1@69.6,51.897 ; GK1.1@69.6,51.862 71.081,51.862 71.7,51.244 C11.2@71.7,48.223
  other v1: 25.7,37.35 44.895,41.354
3V3A: C27.2 C28.2 C43.2 R65.2 R68.2 U1.108 U1.126 U10.8 U10.11 X2.25 X2.26 | length 65.1
  Top Layer w0.2: v1(4.7,14.4) C27.2@6.5,14.4 ; U1.126@9.2,17.168 5.439,17.168 5,17.607 5,20.561 5.322,20.883 5.322,21.968 4.3,22.99 4.3,24.461 4.95,25.111 5.911,25.111 6.968,26.168 U1.108@9.2,26.168
  Bottom Layer w0.2: v1(4.7,14.4) 4.749,14.4 5.149,14.8 C28.2@6.5,14.8
  Bottom Layer w0.3: v1(4.7,14.4) 3.322,15.778 X2.26@3.322,22.099 X2.25@5.322,22.099
  Bottom Layer w0.5: v5(22,19.84) U10.8@25.5,19.84 ; C43.2@25.4,16.8 25.4,19.74 U10.8@25.5,19.84 ; 29.667,19.714 29.667,8.557 R65.2@29.725,8.5 R68.2@29.725,6.83 ; U10.11@39.7,19.82 39.68,19.84 U10.8@25.5,19.84
+5V: C37.2 C38.2 C39.2 C40.2 C42.2 R1.1 R2.1 U8.1 U8.4 U8.6 U8.9 U9.2 U10.2 | length 43.2
  Top Layer w0.3: v1(70.3,37.7) 70.35,37.75 74.45,37.75 U8.9@74.5,37.8 74.718,37.582 76.218,37.582 77.331,36.469 77.755,36.469 78.005,36.219 C38.2@78.005,36.099 C37.2@78.005,34.099 77.956,34.05 U8.6@74.5,34.05 71.05,34.05 v1(70.3,33.3) 72.05,31.55 U8.4@74.5,31.55
  Top Layer w0.5: v1(74.5,23.3) C39.2@74.5,25.4 U8.1@74.5,27.8 ; R1.1@78,38.1 R2.1@78,40.1 U9.2@78,43.9
  Bottom Layer w0.3: U10.2@25.14,11.64 26.6,13.1 v4(26.6,15.5) 26.523,15.577 C42.2@25.4,15.577
  Bottom Layer w0.5: C40.2@71.7,42.8 71.75,42.75 73.55,42.75 v2(73.6,42.7) v2(73.6,44.5)
+5VA: X1.3 X1.4 X2.3 X2.4 | length 6
  Top Layer w0.75: X1.4@82.325,42.099 X1.3@84.325,42.099
  Bottom Layer w0.5: X2.3@3.322,44.099 X2.4@5.322,44.099
  Bottom Layer w0.75: X1.4@82.325,42.099 X1.3@84.325,42.099
-5VA: X1.1 X1.2 X2.1 X2.2 | length 4
  Top Layer w0.75: X1.2@82.325,44.099 X1.1@84.325,44.099
  Bottom Layer w0.75: X1.2@82.325,44.099 X1.1@84.325,44.099
A_0: U1.90 U2.2 | length 34.9
  Top Layer w0.2: U1.90@9.257,35.168 19.75,35.168 20.8,34.118 20.8,25.023 22.323,23.5 26.9,23.5 29.5,26.1 v1@29.5,27.1
  Bottom Layer w0.3: v1(29.5,27.2) U2.2@29.5,29.6
A_1: U1.89 U2.3 | length 34
  Top Layer w0.2: U1.89@9.2,35.668 19.982,35.668 21.2,34.45 21.2,25.189 22.489,23.9 26.316,23.9 28.48,26.064 v1@28.48,27.1
  Bottom Layer w0.3: v1@28.48,27.1 28.49,27.11 28.49,29.59 U2.3@28.5,29.6
  other v1: 28.48,27.2
A_2: U1.88 U2.4 | length 33
  Top Layer w0.2: U1.88@9.2,36.168 12.418,36.168 12.486,36.1 20.25,36.1 21.6,34.75 21.6,25.354 22.654,24.3 25.675,24.3 27.475,26.1 v1@27.475,27.1
  Bottom Layer w0.3: v1@27.475,27.1 27.487,27.113 27.487,29.587 U2.4@27.5,29.6
  other v1: 27.475,27.2
A_3: U1.86 U2.5 | length 32.2
  Top Layer w0.2: U1.86@9.2,37.168 9.207,37.175 11.35,37.175 11.957,36.568 12.583,36.568 12.651,36.5 13.149,36.5 13.217,36.568 20.532,36.568 22,35.1 22,25.52 22.82,24.7 25.166,24.7 26.5,26.034 v1@26.5,27.1
  Bottom Layer w0.3: v1(26.5,27.2) U2.5@26.5,29.6
A_4: U1.85 U2.6 | length 31
  Top Layer w0.2: U1.85@9.2,37.668 9.225,37.693 11.024,37.693 11.031,37.7 15.753,37.7 15.953,37.5 20.35,37.5 22.4,35.45 22.4,25.686 22.986,25.1 24.459,25.1 25.5,26.141 v1@25.5,27.1
  Bottom Layer w0.3: v1(25.5,27.2) U2.6@25.5,29.6
A_5: U1.84 U2.7 | length 30
  Top Layer w0.2: U1.84@9.2,38.168 9.225,38.193 10.843,38.193 10.936,38.1 15.919,38.1 16.119,37.9 20.575,37.9 22.8,35.675 22.8,25.851 23.151,25.5 23.774,25.5 24.456,26.182 v1@24.456,27.1
  Bottom Layer w0.3: v1@24.456,27.1 24.456,27.2 v1@24.478,27.222 ; U2.7@24.478,29.578 U2.7@24.5,29.6 ; v1@24.5,27.222 U2.7@24.5,29.578
  other v1: 24.5,27.2
A_6: U1.83 U2.8 | length 26.6
  Top Layer w0.2: U1.83@9.2,38.668 11.432,38.668 11.6,38.5 16.084,38.5 16.284,38.3 20.975,38.3 23.5,35.775 v1(23.5,27.2) v1@23.5,27.1
  Bottom Layer w0.3: v1(23.5,27.2) U2.8@23.5,29.6
A_7: U1.82 U2.19 | length 23.3
  Top Layer w0.2: U1.82@9.2,39.168 11.588,39.168 11.856,38.9 16.25,38.9 16.45,38.7 v1(25.7,38.7)
  Bottom Layer w0.25: U2.19@21.35,41.75 24.35,41.75 25.7,40.4 v1(25.7,38.7)
A_8: U1.80 U2.20 | length 26
  Top Layer w0.25: U1.80@9.2,40.168 11.825,40.168 12.218,39.775 13.482,39.775 13.807,40.1 26.205,40.1 26.805,39.5 v1(26.9,39.5)
  Bottom Layer w0.3: U2.20@21.35,42.75 25.05,42.75 26.9,40.9 v1(26.9,39.5)
A_9: U1.79 U2.21 | length 29.4
  Top Layer w0.25: U1.79@9.2,40.668 11.962,40.668 12.405,40.225 13.295,40.225 13.62,40.55 27.15,40.55 v1(28.2,39.5)
  Bottom Layer w0.3: U2.21@21.35,43.75 25.75,43.75 28.2,41.3 v1(28.2,39.5)
A_10: U1.78 U2.45 | length 36.8
  Top Layer w0.25: U1.78@9.2,41.168 12.098,41.168 12.591,40.675 13.109,40.675 13.534,41.1 27.484,41.1 31,37.584 v1(31,37.5)
  Bottom Layer w0.3: v1(31,37.5) 31,40.2 33.55,42.75 U2.45@40.256,42.75 ; U2.45@40.6,42.8 U2.45@40.65,42.75
A_11: R37.1 U1.77 U2.59 | length 50.1
  Top Layer w0.25: U1.77@9.2,41.668 11.909,41.668 12.241,42 20.5,42 20.95,41.55 28.441,41.55 31.85,38.141 31.85,25.15 32.776,24.224 35.324,24.224 37.412,26.312 37.412,26.955 v1(37.443,26.987)
  Bottom Layer w0.3: U2.59@36.5,29.6 36.706,29.394 36.706,27.724 37.455,26.975 37.494,26.975 37.769,26.7 37.941,26.7 38.6,26.041 38.6,25.95 38.85,25.7 R37.1@39.1,25.7
A_12: R36.1 U1.76 U2.60 | length 48.4
  Top Layer w0.25: U1.76@9.2,42.168 11.773,42.168 12.055,42.45 20.686,42.45 21.136,42 28.627,42 32.35,38.277 32.35,25.35 32.85,24.85 34.8,24.85 35.5,25.55 v1(35.5,27.2)
  Bottom Layer w0.3: U2.60@35.5,29.6 v1(35.5,27.2) 36.146,27.2 36.9,26.446 36.9,25.95 37.15,25.7 R36.1@37.367,25.7
A_13: R35.1 U1.74 U2.61 | length 46.2
  Top Layer w0.25: U1.74@9.2,43.168 11.657,43.168 11.925,42.9 20.873,42.9 21.323,42.45 28.814,42.45 32.85,38.414 32.85,25.831 33.231,25.45 34.354,25.45 34.5,25.596 v1(34.5,27.2)
  Bottom Layer w0.25: U2.61@34.5,29.6 v1(34.5,27.2) 35.108,26.592 35.108,25.975 35.383,25.7 R35.1@35.633,25.7
A_14: R33.1 R34.1 U1.73 U2.62 | length 43.9
  Top Layer w0.25: U1.73@9.2,43.668 11.857,43.668 12.175,43.35 21.059,43.35 21.509,42.9 29,42.9 33.5,38.4 v1(33.5,27.2)
  Bottom Layer w0.3: R33.1@32.433,24.395 32.438,24.4 32.696,24.4 33.405,25.109 33.405,25.45 33.655,25.7 R34.1@33.9,25.7 ; U2.62@33.5,29.6 v1(33.5,27.2) 33.5,25.95 R34.1@33.75,25.7
A_N: T1.1 U8.3 | length 29.2
  Top Layer w0.3: v1(70.5,7.8) 70.5,10.6 69,12.1 69,28.1 71.2,30.3 73,30.3
  Bottom Layer w0.5: v1(70.5,7.8) 70.5,7.827 70.98,8.307 T1.1@70.98,10.98
A_P: T1.4 U8.2 | length 31.5
  Top Layer w0.3: 73,29.05 71.35,29.05 69.5,27.2 69.5,12.307 71.8,10.007 71.8,10 74.1,7.7 v1(76.9,7.7)
  Bottom Layer w0.5: v1(76.9,7.7) 78.515,9.315 T1.4@78.515,9.801 ; T1.4@78.344,10.844 T1.4@78.5,11
ADC_0: R12.1 X2.19 | length 27.5
  Bottom Layer w0.25: X2.19@3.322,28.099 4.335,27.086 8.086,27.086 10.423,24.748 10.423,21.331 10.7,21.054 10.7,18.591 11.302,17.989 11.302,14.625 11.7,14.227 11.7,11.764 12.2,11.264 12.2,8.473 13.15,7.523 13.777,7.523 R12.1@13.8,7.5
ADC_1: R13.1 X2.20 | length 21.5
  Bottom Layer w0.25: X2.20@6.411,28.099 7.947,28.099 10.254,25.792 10.873,25.173 10.873,21.518 11.2,21.191 11.2,18.727 11.752,18.175 11.752,14.812 12.2,14.364 12.2,11.9 13.119,10.981 R13.1@13.8,10.981
ADC_2: R14.1 X2.17 | length 23.1
  Bottom Layer w0.25: X2.17@3.008,30.099 X2.17@3.322,30.099 4.321,29.1 8.1,29.1 10.704,26.496 10.704,25.978 11.323,25.359 11.323,21.704 11.752,21.275 11.752,18.812 12.202,18.362 12.202,14.998 12.737,14.463 R14.1@13.8,14.463
ADC_3: R15.1 X2.18 | length 16.7
  Bottom Layer w0.25: X2.18@6.503,30.099 8.501,30.099 11.154,27.446 11.154,26.164 11.773,25.545 11.773,21.891 12.202,21.462 12.202,18.998 13.171,18.029 13.716,18.029 R15.1@13.8,17.944
ADC_4: R16.1 X2.15 | length 18.4
  Bottom Layer w0.25: X2.15@3.101,32.32 3.247,32.174 4.321,31.1 8.699,31.1 11.604,28.195 11.604,26.351 12.223,25.732 12.223,22.077 12.874,21.426 R16.1@13.8,21.426
ADC_5: R17.1 X2.16 | length 12.9
  Bottom Layer w0.25: X2.16@5.322,32.099 8.801,32.099 12.054,28.846 12.054,26.537 12.591,26 13.202,25.389 13.525,25.389 13.8,25.114 R17.1@13.8,24.907
ADC_6: R18.1 X2.13 | length 13
  Bottom Layer w0.25: X2.13@3.322,34.099 4.317,33.104 8.996,33.104 13.186,28.914 13.525,28.914 13.8,28.639 R18.1@13.8,28.389
ADC_7: R19.1 X2.14 | length 8.9
  Bottom Layer w0.25: X2.14@5.972,34.099 X2.14@7.072,34.099 10.501,34.099 11.695,32.905 12.994,32.905 13.503,32.395 13.525,32.395 13.8,32.12 R19.1@13.8,31.87
ADC_8: R20.1 X2.11 | length 11
  Bottom Layer w0.25: X2.11@3.322,36.099 4.333,35.088 13.536,35.088 R20.1@13.8,35.352
ADC_9: R21.1 X2.12 | length 9
  Bottom Layer w0.25: X2.12@5.953,36.099 X2.12@7.072,36.099 7.186,36.213 8.113,36.213 10.733,38.833 R21.1@13.8,38.833
ADC_10: R69.1 X2.9 | length 13.1
  Bottom Layer w0.25: X2.9@3.322,38.099 4.321,37.1 7.763,37.1 12.935,42.271 13.757,42.271 R69.1@13.8,42.315
ADC_11: R70.1 X2.10 | length 13.4
  Bottom Layer w0.25: X2.10@5.322,38.099 X2.10@7.072,38.099 7.074,38.101 8.113,38.101 12.145,42.132 12.2,42.188 12.2,45.2 12.575,45.575 13.579,45.575 R70.1@13.8,45.796
ADC_12: R71.1 X2.7 | length 18.1
  Bottom Layer w0.25: X2.7@3.322,40.099 4.321,39.1 8.476,39.1 11.75,42.374 11.75,45.386 12.2,45.836 12.2,47.9 13.578,49.278 R71.1@13.8,49.278
ADC_13: R72.1 X2.8 | length 16.9
  Bottom Layer w0.25: X2.8@6.465,40.099 8.839,40.099 11.3,42.56 11.3,45.573 11.7,45.973 11.7,50.867 R72.1@13.507,52.674
ADC_IN_0: C1.2 R12.2 U1.122 | length 20.8
  Top Layer w0.2: U1.122@9.2,19.168 9.221,19.147 11.378,19.147 16.089,14.436 v1(19.5,14.436)
  Bottom Layer w0.2: R12.2@15.7,7.5 C1.2@15.7,9.241 15.7,9.491 17.712,11.502 17.712,12.647 v1(19.5,14.436)
ADC_IN_1: C2.2 R13.2 U1.121 | length 18.7
  Top Layer w0.2: U1.121@9.2,19.668 11.423,19.668 15.419,15.671 v1(19.5,15.671)
  Bottom Layer w0.2: R13.2@15.7,10.981 C2.2@15.7,12.722 16.551,12.722 v1(19.5,15.671)
ADC_IN_2: C3.2 R14.2 U1.120 | length 18.1
  Top Layer w0.2: U1.120@9.2,20.168 11.532,20.168 14.793,16.907 v1(19.5,16.907)
  Bottom Layer w0.2: R14.2@15.7,14.463 R14.2@15.7,14.713 ; C3.2@15.7,16.204 R14.2@15.7,14.713 ; 16.116,15.013 16,15.013 R14.2@15.7,14.713 ; 16.117,15.014 16.414,15.014 18.307,16.907 v1(19.5,16.907)
ADC_IN_3: C4.2 R15.2 U1.117 | length 17.9
  Top Layer w0.2: U1.117@9.2,21.668 11.907,21.668 15.432,18.143 v1(19.5,18.143)
  Bottom Layer w0.2: R15.2@15.7,17.944 C4.2@15.7,19.685 15.759,19.626 16.674,19.626 18.157,18.143 v1(19.5,18.143)
ADC_IN_4: C5.2 R16.2 U1.116 | length 18.5
  Top Layer w0.2: U1.116@9.2,22.168 12.007,22.168 14.796,19.379 v1(19.5,19.379)
  Bottom Layer w0.2: R16.2@15.7,21.426 C5.2@15.7,22.917 ; C5.2@15.7,23.167 C5.2@15.7,22.917 ; v1(19.5,19.379) 19.423,19.455 19.162,19.455 C5.2@15.7,22.917
ADC_IN_5: C6.2 R17.2 U1.115 | length 18.3
  Top Layer w0.2: U1.115@9.2,22.668 12.107,22.668 14.161,20.614 v1(19.5,20.614)
  Bottom Layer w0.2: R17.2@15.7,24.907 C6.2@15.7,26.648 ; R17.2@15.85,24.507 19.423,20.934 19.423,20.691 v1(19.5,20.614)
ADC_IN_6: C7.2 R18.2 U1.114 | length 20.7
  Top Layer w0.2: U1.114@9.2,23.168 12.232,23.168 13.55,21.85 v1(19.5,21.85)
  Bottom Layer w0.2: C7.2@15.7,30.13 R18.2@15.7,28.389 15.7,28.139 16.575,27.264 16.575,25.05 19.423,22.202 19.423,21.927 v1(19.5,21.85)
ADC_IN_7: C8.2 R19.2 U1.112 | length 22.8
  Top Layer w0.2: U1.112@9.2,24.168 12.932,24.168 14.014,23.086 v1(19.5,23.086)
  Bottom Layer w0.2: C8.2@15.7,33.611 R19.2@15.7,31.87 15.7,31.62 16.525,30.795 16.525,28.566 16.975,28.116 16.975,25.611 v1(19.5,23.086)
ADC_IN_8: C9.2 R20.2 U1.111 | length 24.8
  Top Layer w0.2: U1.111@9.2,24.668 12.998,24.668 13.344,24.321 v1(19.5,24.321)
  Bottom Layer w0.2: C9.2@15.7,37.093 R20.2@15.7,35.352 15.7,35.102 16.406,34.396 16.406,31.481 16.925,30.961 16.925,28.731 17.375,28.281 17.375,26.446 v1(19.5,24.321)
ADC_IN_9: C10.2 R21.2 U1.110 | length 27.1
  Top Layer w0.2: U1.110@9.2,25.168 13.068,25.168 13.425,25.525 19.468,25.525 v1(19.5,25.557)
  Bottom Layer w0.2: C10.2@15.7,40.574 R21.2@15.7,38.833 15.7,38.583 16.4,37.883 16.4,34.975 16.806,34.569 16.806,31.646 17.325,31.127 17.325,28.897 17.775,28.447 17.775,27.282 v1(19.5,25.557)
ADC_IN_10: C44.2 R69.2 U1.109 | length 29.6
  Top Layer w0.2: U1.109@9.2,25.668 12.793,25.668 13.918,26.793 v1(19.5,26.793)
  Bottom Layer w0.2: C44.2@15.7,44.056 R69.2@15.7,42.315 15.7,42.065 16.4,41.365 16.4,38.45 16.8,38.05 16.8,35.141 17.206,34.735 17.206,31.812 17.725,31.292 17.725,29.063 18.175,28.613 18.175,28.118 v1(19.5,26.793)
ADC_IN_11: C45.2 R70.2 U1.107 | length 31.9
  Top Layer w0.2: U1.107@9.2,26.668 12.044,26.668 13.405,28.029 v1(19.5,28.029)
  Bottom Layer w0.2: C45.2@15.7,47.537 R70.2@15.7,45.796 15.7,45.546 16.8,44.446 16.8,38.616 17.2,38.216 17.2,35.306 17.606,34.901 17.606,31.978 18.15,31.433 18.15,29.379 v1(19.5,28.029)
ADC_IN_12: C46.2 R71.2 U1.106 | length 34.5
  Top Layer w0.2: U1.106@9.2,27.168 11.708,27.168 13.804,29.264 v1(19.5,29.264)
  Bottom Layer w0.2: C46.2@15.7,51.019 R71.2@15.7,49.278 15.7,49.028 16.575,48.153 16.575,45.362 17.2,44.737 17.2,38.781 17.6,38.381 17.6,35.472 18.006,35.067 18.006,32.143 18.55,31.599 18.55,30.214 v1(19.5,29.264)
ADC_IN_13: C47.2 R72.2 U1.105 | length 37.4
  Top Layer w0.2: U1.105@9.2,27.668 11.468,27.668 14.3,30.5 v1(19.5,30.5)
  Bottom Layer w0.2: C47.2@15.7,54.501 15.7,52.759 16.241,52.759 16.4,52.6 16.4,48.893 16.975,48.318 16.975,45.528 17.6,44.903 17.6,38.947 18,38.547 18,35.638 18.406,35.232 18.406,32.309 18.976,31.738 18.976,31.024 v1(19.5,30.5)
B_N: T2.1 U8.8 | length 44.2
  Top Layer w0.3: v1(57.28,7.7) 63.389,7.7 63.939,8.25 68,12.311 68,34.89 69.66,36.55 73,36.55
  Bottom Layer w0.5: v1@57.28,7.71 T2.1@57.28,10.99
B_P: T2.4 U8.7 | length 36
  Top Layer w0.3: v1(64.8,7.7) 64.846,7.746 64.846,8.45 68.5,12.104 68.5,33.7 70.1,35.3 73,35.3
  Bottom Layer w0.5: v1(64.8,7.7) T2.4@64.8,11
BDVCC: C18.2 U1.64 | length 4
  Top Layer w0.2: C18.2@11.4,51.5 12.2,51.5 13.868,53.168 U1.64@14.7,53.168
CASE: R11.1 | length 5.6
  Top Layer w0.5: v3(68.824,3.1) 72.1,3.1 72.9,3.9 R11.1@72.9,5.1
  other v3: 18.824,3.1 18.824,59.1 68.824,59.1
D_0: U1.46 U2.29 | length 16.9
  Top Layer w0.25: U1.46@23.7,53.168 23.7,56.2 24.4,56.9 v1(24.4,58.7)
  Bottom Layer w0.3: v1(24.4,58.7) 24.4,55.65 27.5,52.55 U2.29@27.5,48.9
D_1: U1.45 U2.30 | length 17.1
  Top Layer w0.25: U1.45@24.2,53.168 24.2,56.064 25.286,57.149 v1(25.286,58.7)
  Bottom Layer w0.3: v1(25.286,58.7) 25.286,55.714 28.5,52.5 U2.30@28.5,48.9